# KiCad board FrontEnd_5G.kicad_pcb (continued)
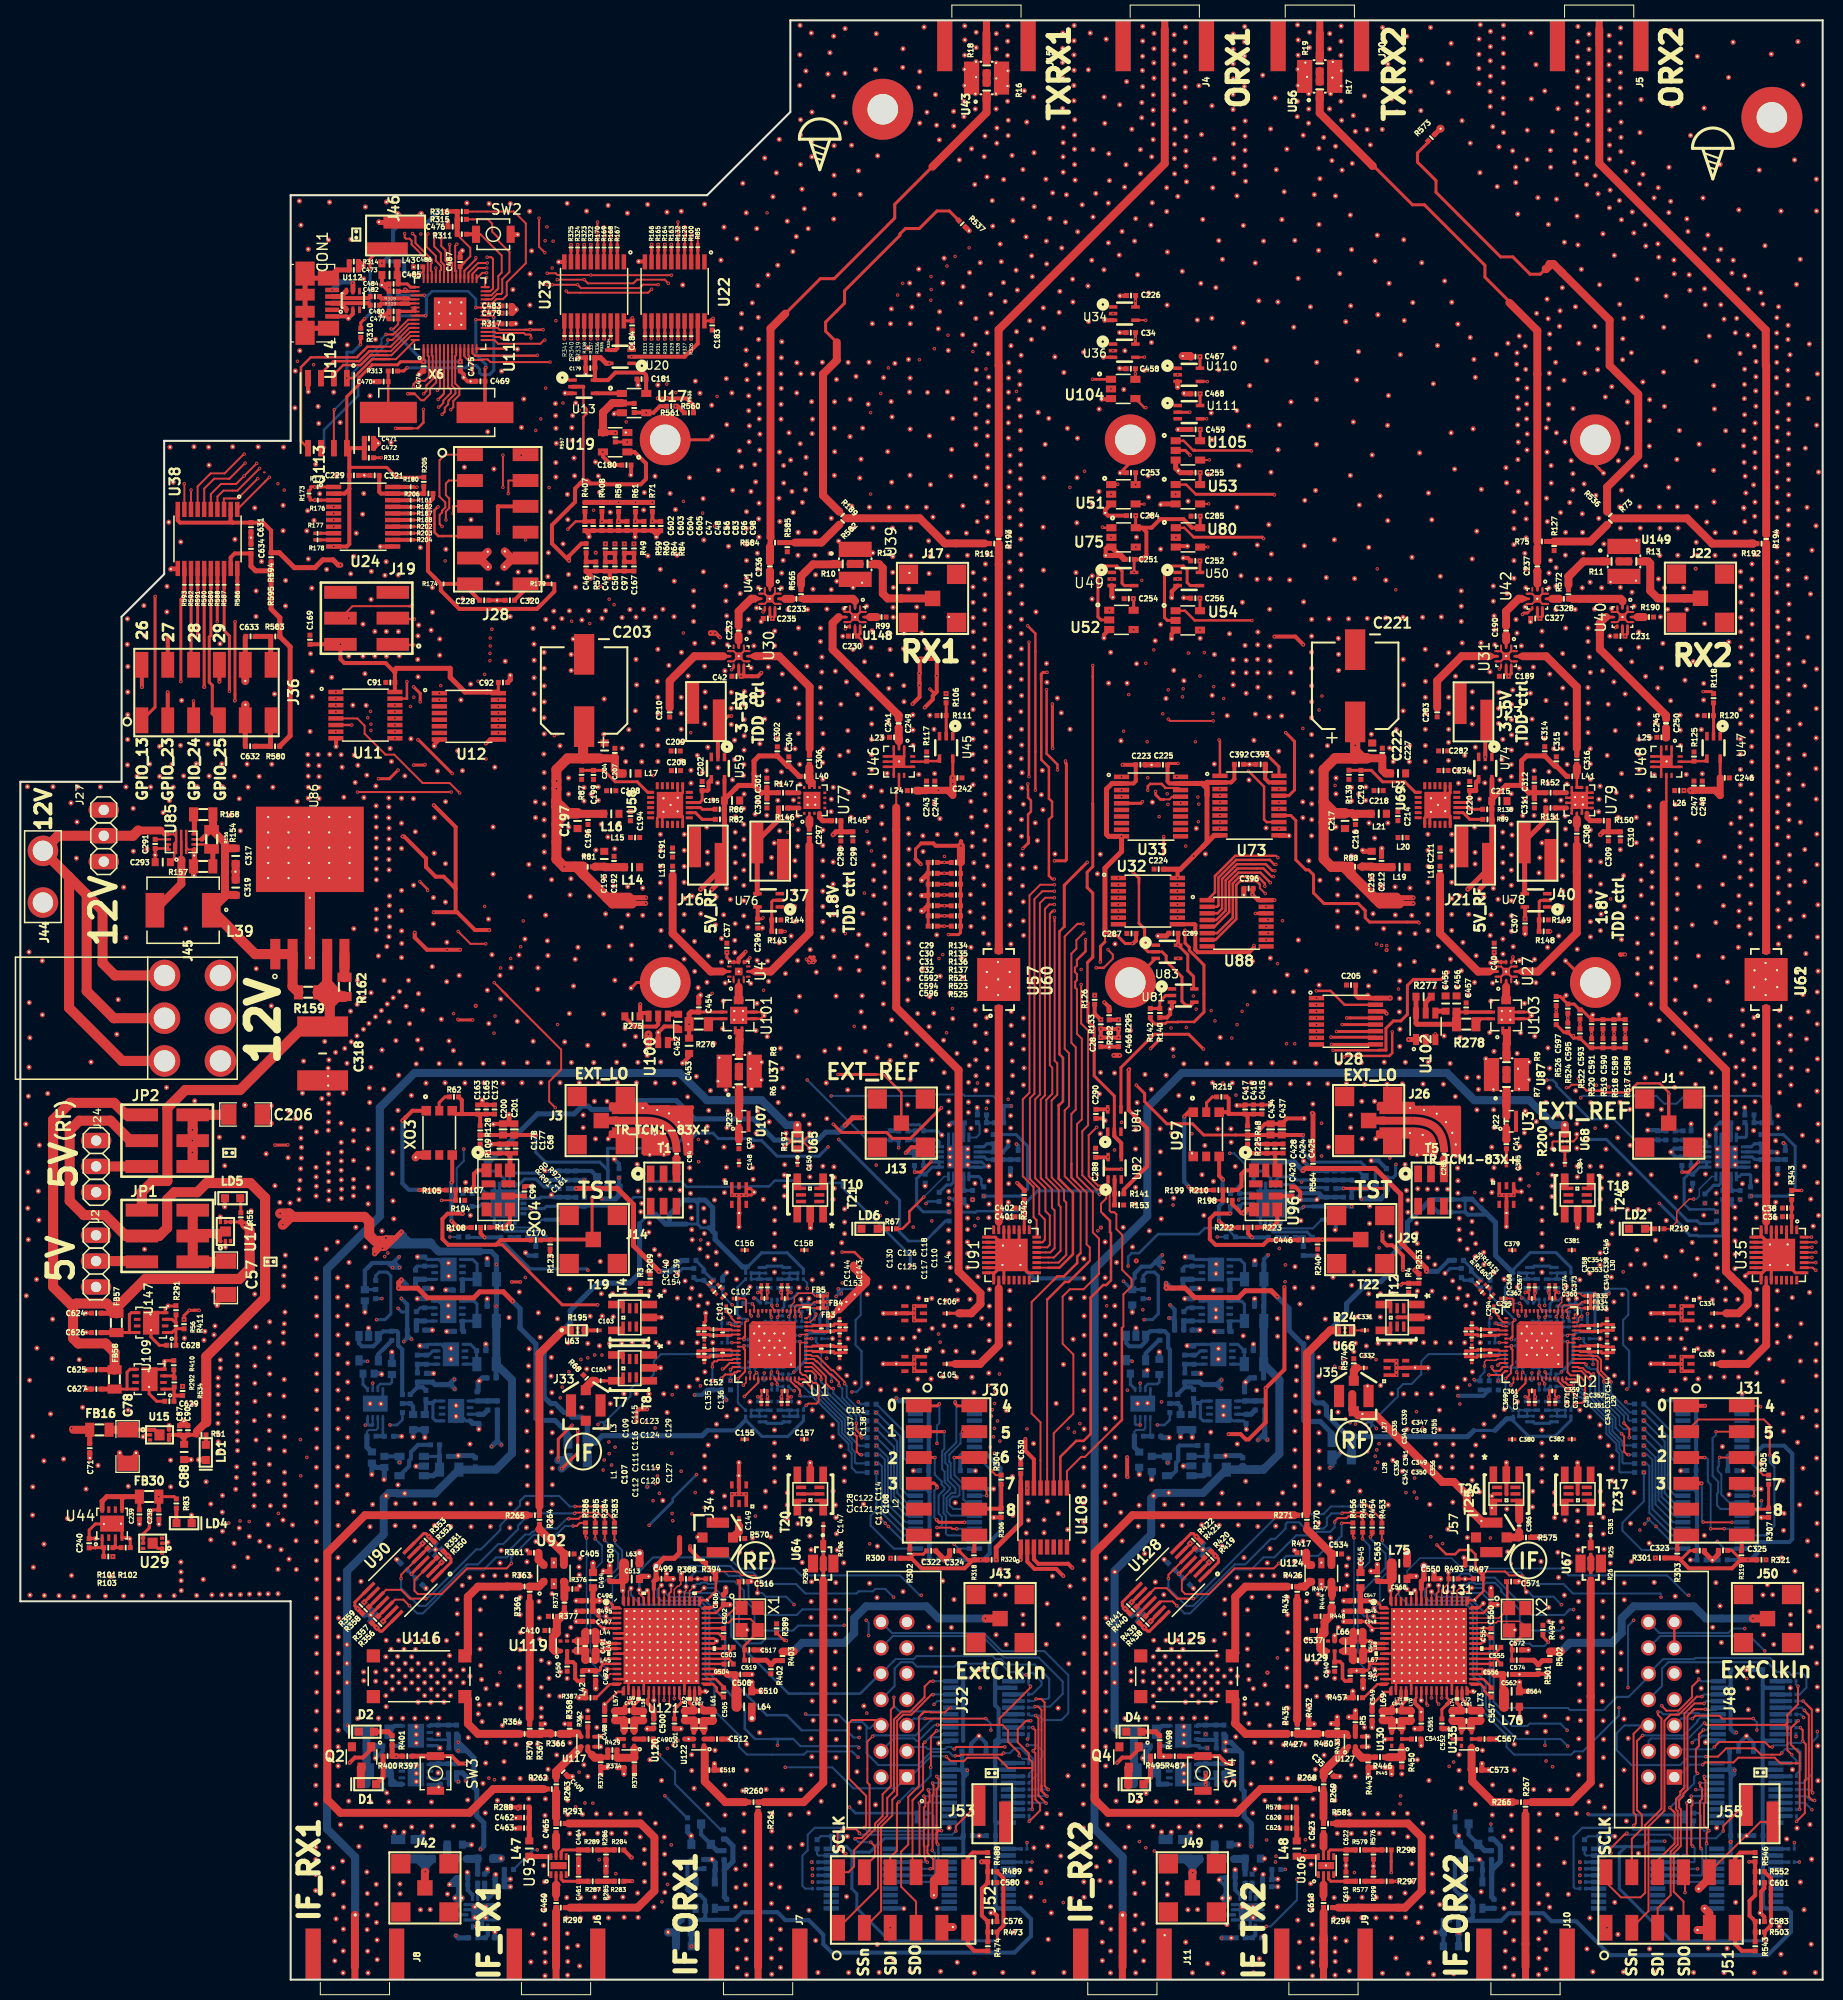
[diagram p0: board, top side]
## Placement (name value [footprint] x y rotation side) (continued)
C320  1uF_0402  [SMD0402]  48.12 135.58 180 top
C321  10nF_0402  [SMD0402]  34.83 147.85 180 top
C322  10nF_0402  [SMD0402]  89.54 42.15 0 top
C323  10nF_0402  [SMD0402]  165.09 42.17 0 top
C324  10nF_0402  [SMD0402]  91.8 42.15 180 top
C325  10nF_0402  [SMD0402]  167.37 42.19 180 top
C326  10nF_0402  [SMD0402]  89.82 41.26 0 bottom
C327  10nF_0402  [SMD0402]  148.92 133.79 0 top
C328  5pF_0402_CBR04C509C5GAC  [SMD0402]  151.73 135.72 180 top
C329  10nF_0402  [SMD0402]  88.83 50.04 180 bottom
C330  10nF_0402  [SMD0402]  165.26 41.26 0 bottom
C331  10pF_0201_GJM0335C1E100JB01D  [SMD0201]  132.17 63.82 0 top
C332  2.3pF_0201_GJM0335C1E2R3BB01D  [SMD0201]  132.06 60.13 0 top
C333  2.3pF_0201_GJM0335C1E2R3BB01D  [SMD0201]  166.5 60.52 180 top
C334  2.3pF_0201_GJM0335C1E2R3BB01D  [SMD0201]  166.51 65.49 180 top
C335  C_NF  [SMD0201]  142.68 63.71 270 top
C336  C  [SMD0201]  142.68 61.51 270 top
C337  C_NF  [SMD0201]  155.98 61.91 90 top
C338  C_NF  [SMD0201]  155.98 64.11 90 top
C339  C_NF  [SMD0201]  142.68 64.31 270 top
C340  C_NF  [SMD0201]  142.68 63.11 270 top
C341  0.9pF_0201_GJM0335C1ER90BB01D  [SMD0201]  142.68 62.11 270 top
C342  0.9pF_0201_GJM0335C1ER90BB01D  [SMD0201]  142.68 60.91 270 top
C343  0.9pF_0201_GJM0335C1ER90BB01D  [SMD0201]  155.98 61.31 90 top
C344  0.9pF_0201_GJM0335C1ER90BB01D  [SMD0201]  155.98 62.51 90 top
C345  0.9pF_0201_GJM0335C1ER90BB01D  [SMD0201]  155.98 63.51 90 top
C346  0.9pF_0201_GJM0335C1ER90BB01D  [SMD0201]  155.98 64.72 90 top
C347  2.3pF_0201_GJM0335C1E2R3BB01D  [SMD0201]  143.58 63.91 0 top
C348  2.3pF_0201_GJM0335C1E2R3BB01D  [SMD0201]  143.58 63.31 0 top
C349  0.5pF_0201_GJM0335C1ER50BB01D  [SMD0201]  143.58 61.91 0 top
C350  0.5pF_0201_GJM0335C1ER50BB01D  [SMD0201]  143.58 61.31 0 top
C351  0.5pF_0201_GJM0335C1ER50BB01D  [SMD0201]  155.09 61.71 180 top
C352  0.5pF_0201_GJM0335C1ER50BB01D  [SMD0201]  155.08 62.31 180 top
C353  0.5pF_0201_GJM0335C1ER50BB01D  [SMD0201]  155.08 63.71 180 top
C354  0.5pF_0201_GJM0335C1ER50BB01D  [SMD0201]  155.08 64.31 180 top
C355  0.6pF_0201_GJM0335C1ER60BB01D  [SMD0201]  144.48 63.61 270 top
C356  C_NF  [SMD0201]  144.48 61.61 270 top
C357  C_NF  [SMD0201]  154.18 62.01 90 top
C358  C_NF  [SMD0201]  154.18 64.01 90 top
C359  C_NF  [SMD0201]  150.58 57.87 0 top
C360  C_NF  [SMD0201]  150.59 66.95 180 top
C361  C_NF  [SMD0201]  148.58 57.88 0 top
C362  C_NF  [SMD0201]  148.59 66.95 180 top
C363  1UF_0201_TDK_X5R  [SMD0201]  148.1 69.72 90 bottom
C364  1UF_0201_TDK_X5R  [SMD0201]  148.11 55.11 270 bottom
C365  1UF_0201_TDK_X5R  [SMD0201]  150.47 55.11 270 bottom
C366  1UF_0201_TDK_X5R  [SMD0201]  150.45 69.73 90 bottom
C367  10pF_0201_GJM0335C1E100JB01D  [SMD0201]  148.88 68.05 90 top
C368  10pF_0201_GJM0335C1E100JB01D  [SMD0201]  148.29 68.05 90 top
C369  10pF_0201_GJM0335C1E100JB01D  [SMD0201]  148.29 56.79 270 top
C370  10pF_0201_GJM0335C1E100JB01D  [SMD0201]  148.88 56.78 270 top
C371  10pF_0201_GJM0335C1E100JB01D  [SMD0201]  150.28 56.78 270 top
C372  10pF_0201_GJM0335C1E100JB01D  [SMD0201]  150.88 56.78 270 top
C373  10pF_0201_GJM0335C1E100JB01D  [SMD0201]  150.87 68.04 90 top
C374  10pF_0201_GJM0335C1E100JB01D  [SMD0201]  150.28 68.05 90 top
C375  1NF_0201  [SMD0201]  148.7 69.73 90 bottom
C376  1NF_0201  [SMD0201]  148.71 55.11 270 bottom
C377  1NF_0201  [SMD0201]  151.07 55.11 270 bottom
C378  1NF_0201  [SMD0201]  151.05 69.73 90 bottom
C379  1.9nH_0201_LQP03TN1N9B02D  [SMD0201]  146.66 71.71 180 top
C380  C_NF  [SMD0201]  146.65 53.11 0 top
C381  C_NF  [SMD0201]  152.51 71.71 180 top
C382  C_NF  [SMD0201]  152.51 53.12 0 top
C383  10pF_0201_GJM0335C1E100JB01D  [SMD0201]  154.37 44.58 270 top
C384  10pF_0201_GJM0335C1E100JB01D  [SMD0201]  151.83 80.29 90 top
C385  10pF_0201_GJM0335C1E100JB01D  [SMD0201]  146.08 80.27 90 top
C386  10pF_0201_GJM0335C1E100JB01D  [SMD0201]  147.34 44.62 270 top
C387  10nF_0402  [SMD0402]  164.27 50.04 180 bottom
C388  10nF_0402  [SMD0402]  91.9 41.26 180 bottom
C389  10nF_0402  [SMD0402]  92.85 50.03 0 bottom
C390  10nF_0402  [SMD0402]  167.34 41.26 180 bottom
C391  10nF_0402  [SMD0402]  168.29 50.03 0 bottom
C392  10nF_0402  [SMD0402]  119.79 119.45 0 top
C393  10nF_0402  [SMD0402]  121.92 119.45 180 top
C394  4.7UF_0402  [SMD0402]  116.52 20.77 270 bottom
C395  4.7UF_0402  [SMD0402]  116.52 24.57 270 bottom
C396  10nF_0402  [SMD0402]  120.74 107.25 180 top
C397  1nF_0402_GRM1555C1H102JA01D  [SMD0402]  39.2 39.12 135 bottom
C398  1nF_0402_GRM1555C1H102JA01D  [SMD0402]  37.71 40.6 315 bottom
C399  NF_10pF_0402_GJM1555C1H100GB01D  [SMD0402]  41.73 41.98 315 bottom
C400  NF_10pF_0402_GJM1555C1H100GB01D  [SMD0402]  40.5 43.21 135 bottom
C401  470pF_0402_GRM1555C1H471JA01D  [SMD0402]  98.23 74.99 180 top
C402  47nF_0402_GCM155R71H473KE02D  [SMD0402]  98.23 75.84 180 top
C403  NF_10pF_0402_GJM1555C1H100GB01D  [SMD0402]  34.72 34.91 315 bottom
C404  NF_10pF_0402_GJM1555C1H100GB01D  [SMD0402]  33.48 36.14 135 bottom
C405  NF_10pF_0402_GJM1555C1H100GB01D  [SMD0402]  53.98 41.84 180 top
C406  NF_1uF_0603_GRM188R61A105KA61D  [SMD0603#2]  65.2 3.28 0 bottom
C407  NF_2.2uF_0603_GRM188R71A225KE15J  [SMD0603#2]  65.2 4.64 0 bottom
C408  NF_1nF_0402_GRM1555C1H102JA01D  [SMD0402]  65.49 5.88 0 bottom
C409  NF_10pF_0402_GJM1555C1H100GB01D  [SMD0402]  53.36 20.44 135 top
C410  NF_10pF_0402_GJM1555C1H100GB01D  [SMD0402]  52.02 34.32 180 top
C411  NF_1nF_0402_GRM1555C1H102JA01D  [SMD0402]  68.76 10.77 0 bottom
C412  1UF_0402  [SMD0402]  35.98 19.22 180 bottom
C413  4.7UF_0402  [SMD0402]  41.08 20.77 270 bottom
C414  4.7UF_0402  [SMD0402]  41.08 24.57 270 bottom
C415  NF_100nF_0402  [SMD0402]  122.05 85.53 90 top
C416  NF_10nF_0402  [SMD0402]  121.22 85.53 90 top
C417  NF_1nF_0402  [SMD0402]  120.4 85.53 90 top
C418  1.2NF_0402  [SMD0402]  160.96 82.99 90 bottom
C419  NF_470nF_0402  [SMD0402]  163.45 82.98 90 bottom
C420  NF_18nF_0402  [SMD0402]  125 77.47 90 top
C421  NF_68nF_0402  [SMD0402]  164.23 82.98 90 bottom
C422  NF_100nF_0402  [SMD0402]  163.78 80.86 180 bottom
C423  NF_100nF_0402  [SMD0402]  164.39 78.73 270 bottom
C424  NF_1nF_0402  [SMD0402]  123.33 81.68 90 top
C425  NF_10nF_0402  [SMD0402]  124.13 81.69 90 top
C426  NF_100nF_0402  [SMD0402]  171.54 81.35 180 bottom
C427  NF_100nF_0402  [SMD0402]  123.13 72.95 180 bottom
C428  NF_100nF_0402  [SMD0402]  122.53 81.68 90 top
C429  NF_10pF_0402  [SMD0402]  168.2 77.11 270 bottom
C430  NF_100nF_0402  [SMD0402]  171.54 80.61 180 bottom
C431  NF_220pF_0402  [SMD0402]  167.71 84.21 180 bottom
C432  NF_100nF_0402  [SMD0402]  134.29 79.26 90 bottom
C433  NF_100nF_0402  [SMD0402]  169.97 84.23 180 bottom
C434  NF_10uF_0603  [SMD0603_v2]  122.9 83.57 90 top
C435  100NF_0402  [SMD0402]  173.5 81.06 270 bottom
C436  NF_10uF_0603  [SMD0603_v2]  132.14 78.38 90 bottom
C437  NF_10uF_0603  [SMD0603_v2]  124 83.57 90 top
C438  NF_100nF_0402  [SMD0402]  171.65 84.22 180 bottom
C439  NF_1nF_0402  [SMD0402]  128.41 79.04 90 bottom
C440  NF_100nF_0402  [SMD0402]  126.57 72.95 180 bottom
C441  NF_10nF_0402  [SMD0402]  129.2 79.04 90 bottom
C442  NF_100nF_0402  [SMD0402]  130.02 79.04 90 bottom
C443  NF_1nF_0402  [SMD0402]  128.41 76.46 90 bottom
C444  NF_10nF_0402  [SMD0402]  129.24 76.46 90 bottom
C445  NF_100nF_0402  [SMD0402]  130.06 76.46 90 bottom
C446  NF_100nF_0402  [SMD0402]  126.11 72.7 180 top
C447  1UF_0402  [SMD0402]  121.76 59.15 180 bottom
C448  1UF_0402  [SMD0402]  121.77 66.19 180 bottom
C449  1UF_0402  [SMD0402]  121.79 70.3 180 bottom
C450  15pF_0402_GJM1555C1H150JB01D  [SMD0402]  53.75 30.77 270 top
C451  1UF_0402  [SMD0402]  120.75 61.83 0 bottom
C452  1nF_0603_06035C102KAT2A  [SMD0603#2]  64.66 94.14 270 top
C453  NF_100nF_0603_C0603C104M5RACTU  [SMD0603#2]  65.74 91.79 90 top
C454  1000pF_0402_GCM155R71H102KA37D  [SMD0402]  66.69 95.56 270 top
C455  1nF_0603_06035C102KAT2A  [SMD0603#2]  140.11 95.95 90 top
C456  NF_100nF_0603_C0603C104M5RACTU  [SMD0603#2]  141.19 95.95 270 top
C457  1000pF_0402_GCM155R71H102KA37D  [SMD0402]  142.12 95.56 270 top
C458  10nF_0402  [SMD0402]  109.16 158.34 0 top
C459  10nF_0402  [SMD0402]  115.53 152.37 0 top
C460  100pF_0402_ECJ-0EC1H101J  [SMD0402]  52.67 7.53 270 top
C461  100pF_0402_ECJ-0EC1H101J  [SMD0402]  54.87 10.12 90 top
C462  1uF_0402_CC0402ZRY5V5BB105  [SMD0402]  49.52 15.92 0 top
C463  1000pF_0402_GCM155R71H102KA37D  [SMD0402]  49.52 14.9 0 top
C464  100pF_0402_ECJ-0EC1H101J  [SMD0402]  54.87 12.3 90 top
C465  27pF_0402_GCM1555C1H270FA16D  [SMD0402]  52.66 14.9 270 top
C466  10nF_0402  [SMD0402]  107.95 92.15 90 top
C467  10nF_0402  [SMD0402]  115.51 159.52 0 top
C468  10nF_0402  [SMD0402]  115.52 155.87 0 top
C469  27pF_0402_GCM1555C1H270FA16D  [SMD0402]  45.23 157.11 180 top
C470  27pF_0402_GCM1555C1H270FA16D  [SMD0402]  35.71 157.07 180 top
C471  100nF_0402_GRM155R71C104KA88J  [SMD0402]  34.26 151.49 0 top
C472  100nF_0402_GRM155R71C104KA88J  [SMD0402]  34.26 150.54 0 top
C473  3.9nF_0402_04025C392JAT2A  [SMD0402]  32.78 168.05 0 top
C474  100nF_0402_GRM155R71C104KA88J  [SMD0402]  39.65 158.57 270 top
C475  100nF_0402_GRM155R71C104KA88J  [SMD0402]  43.24 158.57 270 top
C476  100nF_0402_GRM155R71C104KA88J  [SMD0402]  42.49 172.3 180 top
C477  100nF_0402_GRM155R71C104KA88J  [SMD0402]  36.7 163.25 180 top
C478  100nF_0402_GRM155R71C104KA88J  [SMD0402]  36.7 163.55 0 bottom
C479  100nF_0402_GRM155R71C104KA88J  [SMD0402]  47.8 163.81 180 top
C480  100nF_0402_GRM155R71C104KA88J  [SMD0402]  36.7 163.98 180 top
C481  1uF_0402_CC0402ZRY5V5BB105  [SMD0402]  36.7 165.56 0 bottom
C482  1uF_0402_CC0402ZRY5V5BB105  [SMD0402]  36.7 165.96 180 top
C483  100nF_0402_GRM155R71C104KA88J  [SMD0402]  47.8 164.52 180 top
C484  100nF_0402_GRM155R71C104KA88J  [SMD0402]  36.7 166.68 0 top
C485  10uF_0603_GRM188R61E106KA73J  [SMD0603#2]  36.29 167.55 0 top
C486  100nF_0402_GRM155R71C104KA88J  [SMD0402]  39.11 168.35 180 top
C487  100nF_0402_GRM155R71C104KA88J  [SMD0402]  43.23 168.83 90 top
C488  1UF_0402  [SMD0402]  118.57 63.71 180 bottom
C489  1UF_0402  [SMD0402]  118.45 67.77 180 bottom
C490  15pF_0402_GJM1555C1H150JB01D  [SMD0402]  61.75 23.65 0 top
C491  0.2pF_0402_GJM1555C1HR20BB01D  [SMD0402]  55.53 32.79 270 top
C492  1nF_0402_GRM1555C1H102JA01D  [SMD0402]  56.54 29.87 270 top
C493  0.9pF_0402_GJM1555C1HR90BB01D  [SMD0402]  59.85 25.43 0 top
C494  2.2uF_0603_GRM188R71A225KE15J  [SMD0603#2]  56.29 39.27 270 top
C495  1nF_0402_GRM1555C1H102JA01D  [SMD0402]  55.78 36.22 180 top
C496  1nF_0402_GRM1555C1H102JA01D  [SMD0402]  55.78 37.24 0 top
C497  1nF_0402_GRM1555C1H102JA01D  [SMD0402]  55.78 35.21 180 top
C498  1nF_0402_GRM1555C1H102JA01D  [SMD0402]  57.44 25.93 270 top
C499  1nF_0402_GRM1555C1H102JA01D  [SMD0402]  63.02 39.4 180 top
C500  1nF_0402_GRM1555C1H102JA01D  [SMD0402]  62.26 25.17 270 top
C501  1nF_0402_GRM1555C1H102JA01D  [SMD0402]  64.3 25.17 270 top
C502  1nF_0402_GRM1555C1H102JA01D  [SMD0402]  69.12 34.06 270 top
C503  1nF_0402_GRM1555C1H102JA01D  [SMD0402]  69.63 32.67 0 top
C504  1nF_0402_GRM1555C1H102JA01D  [SMD0402]  69.63 31.02 180 top
C505  1nF_0402_GRM1555C1H102JA01D  [SMD0402]  69.12 28.22 270 top
C506  1nF_0402_GRM1555C1H102JA01D  [SMD0402]  69.12 37.36 270 top
C507  0.5pF_0402_GJM1555C1HR50BB01D  [SMD0402]  66.7 25.43 180 top
C508  1nF_0402_GRM1555C1H102JA01D  [SMD0402]  70.77 30 180 top
C509  1nF_0402_GRM1555C1H102JA01D  [SMD0402]  57.94 39.65 270 top
C510  2.2uF_0603_GRM188R71A225KE15J  [SMD0603#2]  71.15 28.34 180 top
C511  NF_47nF_0402_GCM155R71H473KE02D  [SMD0402]  43.42 11.87 0 bottom
C512  15pF_0402_GJM1555C1H150JB01D  [SMD0402]  68.48 23.65 180 top
C513  2.2uF_0603_GRM188R71A225KE15J  [SMD0603#2]  60.1 39.38 180 top
C514  NF_47nF_0402_GCM155R71H473KE02D  [SMD0402]  44.96 9.93 270 bottom
C515  NF_47nF_0402_GCM155R71H473KE02D  [SMD0402]  45.64 9.93 270 bottom
C516  10pF_0402_GJM1555C1H100GB01D  [SMD0402]  71.1 39.12 0 top
C517  10pF_0402_GJM1555C1H100GB01D  [SMD0402]  71.66 32.41 0 top
C518  NF_10pF_0402_GJM1555C1H100GB01D  [SMD0402]  67.73 20.6 180 top
C519  NF_10pF_0402_GJM1555C1H100GB01D  [SMD0402]  71.66 31.4 180 top
C520  NF_100nF_0402_GRM155R71C104KA88J  [SMD0402]  43.53 10.02 180 bottom
C521  NF_100nF_0402_GRM155R71C104KA88J  [SMD0402]  47.12 9.83 180 bottom
C522  NF_100pF_0402_GRM1555C1H101JA01D  [SMD0402]  43.53 9.32 180 bottom
C523  NF_100pF_0402_GRM1555C1H101JA01D  [SMD0402]  47.12 9.14 180 bottom
C524  NF_1nF_0402_GRM1555C1H102JA01D  [SMD0402]  42.98 6.83 270 bottom
C525  10nF_0402  [SMD0402]  95.41 14.15 180 bottom
C526  10nF_0402  [SMD0402]  93.14 14.15 0 bottom
C527  1nF_0402_GRM1555C1H102JA01D  [SMD0402]  113.15 40.61 315 bottom
C528  NF_1uF_0603_GRM188R61A105KA61D  [SMD0603#2]  140.64 3.28 0 bottom
C529  1nF_0402_GRM1555C1H102JA01D  [SMD0402]  114.64 39.13 135 bottom
C530  NF_2.2uF_0603_GRM188R71A225KE15J  [SMD0603#2]  140.64 4.65 0 bottom
C531  NF_10pF_0402_GJM1555C1H100GB01D  [SMD0402]  117.17 41.97 315 bottom
C532  NF_10pF_0402_GJM1555C1H100GB01D  [SMD0402]  115.95 43.21 135 bottom
C533  NF_1nF_0402_GRM1555C1H102JA01D  [SMD0402]  140.93 5.88 0 bottom
C534  NF_10pF_0402_GJM1555C1H100GB01D  [SMD0402]  129.43 41.84 180 top
C535  4.7UF_0402  [SMD0402]  115.36 60.04 270 bottom
C536  NF_1nF_0402_GRM1555C1H102JA01D  [SMD0402]  144.19 10.77 0 bottom
C537  NF_10pF_0402_GJM1555C1H100GB01D  [SMD0402]  127.47 34.32 180 top
C538  NF_10pF_0402_GJM1555C1H100GB01D  [SMD0402]  110.16 34.91 315 bottom
C539  NF_10pF_0402_GJM1555C1H100GB01D  [SMD0402]  108.92 36.14 135 bottom
C540  15pF_0402_GJM1555C1H150JB01D  [SMD0402]  129.2 30.76 270 top
C541  15pF_0402_GJM1555C1H150JB01D  [SMD0402]  137.2 23.65 0 top
C542  0.2pF_0402_GJM1555C1HR20BB01D  [SMD0402]  130.98 32.79 270 top
C543  1nF_0402_GRM1555C1H102JA01D  [SMD0402]  131.99 29.88 270 top
C544  0.9pF_0402_GJM1555C1HR90BB01D  [SMD0402]  135.3 25.43 0 top
C545  2.2uF_0603_GRM188R71A225KE15J  [SMD0603#2]  131.74 39.27 270 top
C546  1nF_0402_GRM1555C1H102JA01D  [SMD0402]  131.24 36.22 180 top
C547  1nF_0402_GRM1555C1H102JA01D  [SMD0402]  131.23 37.24 0 top
C548  1nF_0402_GRM1555C1H102JA01D  [SMD0402]  131.23 35.21 180 top
C549  1nF_0402_GRM1555C1H102JA01D  [SMD0402]  132.88 25.94 270 top
C550  1nF_0402_GRM1555C1H102JA01D  [SMD0402]  138.47 39.4 180 top
C551  1nF_0402_GRM1555C1H102JA01D  [SMD0402]  137.71 25.17 270 top
C552  1nF_0402_GRM1555C1H102JA01D  [SMD0402]  139.74 25.17 270 top
C553  NF_47nF_0402_GCM155R71H473KE02D  [SMD0402]  118.86 11.87 0 bottom
C554  1nF_0402_GRM1555C1H102JA01D  [SMD0402]  144.57 34.06 270 top
C555  1nF_0402_GRM1555C1H102JA01D  [SMD0402]  145.08 32.66 0 top
C556  1nF_0402_GRM1555C1H102JA01D  [SMD0402]  145.08 31.02 180 top
C557  1nF_0402_GRM1555C1H102JA01D  [SMD0402]  144.57 28.22 270 top
C558  NF_47nF_0402_GCM155R71H473KE02D  [SMD0402]  120.4 9.93 270 bottom
C559  NF_47nF_0402_GCM155R71H473KE02D  [SMD0402]  121.08 9.93 270 bottom
C560  1nF_0402_GRM1555C1H102JA01D  [SMD0402]  144.57 37.36 270 top
C561  0.5pF_0402_GJM1555C1HR50BB01D  [SMD0402]  142.15 25.42 180 top
C562  1nF_0402_GRM1555C1H102JA01D  [SMD0402]  146.22 30 180 top
C563  1nF_0402_GRM1555C1H102JA01D  [SMD0402]  133.4 39.65 270 top
C564  2.2uF_0603_GRM188R71A225KE15J  [SMD0603#2]  146.6 28.34 180 top
C565  NF_100nF_0402_GRM155R71C104KA88J  [SMD0402]  118.97 10.02 180 bottom
C566  NF_100nF_0402_GRM155R71C104KA88J  [SMD0402]  122.56 9.83 180 bottom
C567  15pF_0402_GJM1555C1H150JB01D  [SMD0402]  143.93 23.65 180 top
C568  2.2uF_0603_GRM188R71A225KE15J  [SMD0603#2]  135.55 39.39 180 top
C569  NF_100pF_0402_GRM1555C1H101JA01D  [SMD0402]  118.97 9.32 180 bottom
C570  NF_100pF_0402_GRM1555C1H101JA01D  [SMD0402]  122.56 9.14 180 bottom
C571  10pF_0402_GJM1555C1H100GB01D  [SMD0402]  146.55 39.12 0 top
C572  10pF_0402_GJM1555C1H100GB01D  [SMD0402]  147.11 32.41 0 top
C573  NF_10pF_0402_GJM1555C1H100GB01D  [SMD0402]  143.17 20.6 180 top
C574  NF_10pF_0402_GJM1555C1H100GB01D  [SMD0402]  147.1 31.4 180 top
C575  10nF_0402  [SMD0402]  95.38 22.44 180 bottom
C576  10nF_0402  [SMD0402]  95.55 5.71 0 top
C577  10nF_0402  [SMD0402]  93.01 22.46 0 bottom
C578  10nF_0402  [SMD0402]  80.18 14.1 0 bottom
C579  10nF_0402  [SMD0402]  95.38 30.47 180 bottom
C580  10nF_0402  [SMD0402]  95.55 9.54 0 top
C581  10nF_0402  [SMD0402]  93.13 30.45 0 bottom
C582  NF_1nF_0402_GRM1555C1H102JA01D  [SMD0402]  118.42 6.82 270 bottom
C583  10nF_0402  [SMD0402]  170.99 5.71 0 top
C584  10nF_0402  [SMD0402]  170.83 30.47 180 bottom
C585  10nF_0402  [SMD0402]  170.83 22.45 180 bottom
C586  10nF_0402  [SMD0402]  170.86 14.16 180 bottom
C587  10nF_0402  [SMD0402]  168.58 30.46 0 bottom
C588  10nF_0402  [SMD0402]  157.76 93.91 270 top
C589  10nF_0402  [SMD0402]  156.66 93.91 270 top
C590  10nF_0402  [SMD0402]  155.57 93.91 270 top
C591  10nF_0402  [SMD0402]  154.46 93.91 270 top
C592  10nF_0402  [SMD0402]  89.69 105.56 0 top
C593  10nF_0402  [SMD0402]  153.31 94.87 270 top
C594  10nF_0402  [SMD0402]  89.69 104.56 0 top
C595  10nF_0402  [SMD0402]  152.12 95.44 270 top
C596  10nF_0402  [SMD0402]  89.69 103.55 0 top
C597  10nF_0402  [SMD0402]  150.98 96.19 270 top
C598  10nF_0402  [SMD0402]  168.46 22.47 0 bottom
C599  10nF_0402  [SMD0402]  168.58 14.16 0 bottom
C600  10nF_0402  [SMD0402]  155.62 14.09 0 bottom
C601  10nF_0402  [SMD0402]  170.99 9.54 0 top
C602  1nF_0402  [SMD0402]  55.5 142.88 270 top
C603  10nF_0402  [SMD0402]  56.32 142.88 270 top
C604  1nF_0402  [SMD0402]  57.17 142.88 270 top
C605  10nF_0402  [SMD0402]  57.99 142.88 270 top
C606  4.7UF_0402  [SMD0402]  115.19 64.29 270 bottom
C607  4.7UF_0402  [SMD0402]  115.17 68.39 270 bottom
C608  10UF_0603  [SMD0603#2]  114.05 54.8 270 bottom
C609  1UF_0402  [SMD0402]  120.16 50.85 90 bottom
C610  1UF_0603  [SMD0603#2]  109.99 51.11 90 bottom
C611  10UF_0603  [SMD0603#2]  115.2 54.8 270 bottom
C612  1UF_0402  [SMD0402]  117.1 51.43 0 bottom
C613  10UF_0603  [SMD0603#2]  109.87 59.57 0 bottom
C614  10UF_0603  [SMD0603#2]  111.22 50.69 270 bottom
C615  4.7UF_0402  [SMD0402]  120.34 57.33 90 bottom
C616  1UF_0603  [SMD0603#2]  111.96 60.23 270 bottom
C617  10UF_0603  [SMD0603#2]  109.3 67.07 270 bottom
C618  100pF_0402_ECJ-0EC1H101J  [SMD0402]  128.11 7.53 270 top
C619  100pF_0402_ECJ-0EC1H101J  [SMD0402]  130.31 10.12 90 top
C620  1uF_0402_CC0402ZRY5V5BB105  [SMD0402]  124.96 15.92 0 top
C621  1000pF_0402_GCM155R71H102KA37D  [SMD0402]  124.96 14.9 0 top
C622  100pF_0402_ECJ-0EC1H101J  [SMD0402]  130.31 12.3 90 top
C623  27pF_0402_GCM1555C1H270FA16D  [SMD0402]  128.1 14.9 270 top
C624  1UF_0402  [SMD0402]  7.46 65.51 180 top
C625  1UF_0402  [SMD0402]  7.47 59.96 180 top
C626  1UF_0402  [SMD0402]  7.46 63.6 180 top
C627  1UF_0402  [SMD0402]  7.47 58.05 180 top
C628  4.7UF_0402  [SMD0402]  14.84 62.35 180 top
C629  4.7UF_0402  [SMD0402]  14.65 56.85 180 top
C630  10nF_0402  [SMD0402]  98.34 50.21 90 top
C631  10nF_0402  [SMD0402]  22.67 142.76 270 top
C632  1uF_0402  [SMD0402]  22.59 121.23 180 top
C633  1uF_0402  [SMD0402]  22.63 132.03 180 top
C634  10nF_0402  [SMD0402]  22.67 140.63 90 top
CON1  47346-0001  [USB-MINI-B]  27.99 164.78 270 top
D1  LED0603_GREEN  [LED_0603#2]  34.22 19.21 180 top
D2  LED0603_GREEN  [LED_0603#2]  34.01 24.37 180 top
D3  LED0603_GREEN  [LED_0603#2]  109.66 19.21 180 top
D4  LED0603_GREEN  [LED_0603#2]  109.46 24.37 180 top
FB1  FB_0201  [SMD0201]  78.32 64.93 180 bottom
FB2  FB_0201  [SMD0201]  78.32 64.33 180 bottom
FB3  FB_0201  [SMD0201]  78.63 66.01 180 top
FB4  FB_0201  [SMD0201]  78.63 66.61 180 top
FB5  FB_0201  [SMD0201]  78.63 67.21 180 top
FB6  FB_0201  [SMD0201]  72.83 58.93 180 bottom
FB7  FB_0201  [SMD0201]  69.23 64.51 0 bottom
FB8  FB_0201  [SMD0201]  73.02 66.53 180 bottom
FB9  FB_0201  [SMD0201]  74.02 65.73 0 bottom
FB10  FB_0201  [SMD0201]  74.92 65.53 90 bottom
FB11  FB_0201  [SMD0201]  69.53 63.51 90 bottom
FB12  FB_0201  [SMD0201]  78.74 61.9 270 bottom
FB13  FB_0201  [SMD0201]  75.24 58.3 0 bottom
FB14  FB_0201  [SMD0201]  75.23 58.93 0 bottom
FB15  FB_0201  [SMD0201]  75.23 59.53 0 bottom
FB16  FB_600R_0805_MPZ2012S601AT000  [SMD0805]  7.77 54.05 0 top
FB17  FB_60R_0805  [SMD0805]  110.72 24.37 0 bottom
FB18  FB_60R_0805  [SMD0805]  45.85 68.84 180 bottom
FB19  FB_60R_0805  [SMD0805]  45.84 64.74 180 bottom
FB20  FB_60R_0805  [SMD0805]  45.83 60.5 180 bottom
FB21  FB_60R_0805  [SMD0805]  42.16 50.13 180 bottom
FB22  FB_600R_0402  [SMD0402]  95.65 82.61 90 bottom
FB23  FB_60R_0805  [SMD0805]  110.72 20.57 0 bottom
FB24  FB_60R_0805  [SMD0805]  35.28 24.37 0 bottom
FB25  FB_0201  [SMD0201]  71.57 69.46 0 bottom
FB26  FB_0201  [SMD0201]  71.57 55.37 0 bottom
FB27  FB_0201  [SMD0201]  76.7 55.37 180 bottom
FB28  FB_0201  [SMD0201]  76.7 69.46 180 bottom
FB29  BLM18EG601SN1D  [SMD0603]  58.31 77.83 180 bottom
FB30  FB_60R_0805  [SMD0805]  12.66 47.48 180 top
FB31  FB_0201  [SMD0201]  153.77 64.93 180 bottom
FB32  FB_0201  [SMD0201]  153.77 64.33 180 bottom
FB33  FB_0201  [SMD0201]  154.08 66.01 180 top
FB34  FB_0201  [SMD0201]  154.08 66.62 180 top
FB35  FB_0201  [SMD0201]  154.08 67.21 180 top
FB36  FB_0201  [SMD0201]  148.28 58.93 180 bottom
FB37  FB_0201  [SMD0201]  144.68 64.51 0 bottom
FB38  FB_0201  [SMD0201]  148.47 66.53 180 bottom
FB39  FB_0201  [SMD0201]  149.43 65.74 0 bottom
FB40  FB_0201  [SMD0201]  150.37 65.47 90 bottom
FB41  FB_0201  [SMD0201]  144.98 63.51 90 bottom
FB42  FB_0201  [SMD0201]  154.18 61.9 270 bottom
FB43  FB_0201  [SMD0201]  150.69 58.3 0 bottom
FB44  FB_0201  [SMD0201]  150.68 58.93 0 bottom
FB45  FB_0201  [SMD0201]  150.68 59.53 0 bottom
FB46  FB_60R_0805  [SMD0805]  35.28 20.57 0 bottom
FB47  NF_FB_600R_0402  [SMD0402]  171.09 82.61 270 bottom
FB48  FB_0201  [SMD0201]  147.01 69.46 0 bottom
FB49  FB_0201  [SMD0201]  147.02 55.37 0 bottom
FB50  FB_0201  [SMD0201]  152.15 55.37 180 bottom
FB51  FB_0201  [SMD0201]  152.15 69.46 180 bottom
FB52  NF_BLM18EG601SN1D  [SMD0603_v2]  133.75 77.83 180 bottom
FB53  FB_60R_0805  [SMD0805]  121.27 60.5 180 bottom
FB54  FB_60R_0805  [SMD0805]  121.28 64.74 180 bottom
FB55  FB_60R_0805  [SMD0805]  121.29 68.84 180 bottom
FB56  FB_60R_0805  [SMD0805]  117.6 50.13 180 bottom
FB57  FB_60R_0805  [SMD0805]  9.45 64.55 270 top
FB58  FB_60R_0805  [SMD0805]  9.26 59 270 top
G***  LOGO  [LimeSimbol]  170.83 167.97 270 bottom
GND_VIA  VAL**  [GND_VIA]  72.63 61.41 0 top
GND_VIA#2  VAL**  [GND_VIA#2]  62.93 64.81 0 top
GND_VIA#3  VAL**  [GND_VIA]  75.13 62.11 0 top
GND_VIA#4  VAL**  [GND_VIA]  74.13 62.11 0 top
GND_VIA#5  VAL**  [GND_VIA]  73.63 62.81 0 top
GND_VIA#6  VAL**  [GND_VIA]  75.73 61.57 0 top
GND_VIA#7  VAL**  [GND_VIA]  74.13 63.51 0 top
GND_VIA#8  VAL**  [GND_VIA]  72.63 62.81 0 top
GND_VIA#9  VAL**  [GND_VIA]  73.13 62.11 0 top
GND_VIA#10  VAL**  [GND_VIA]  74.63 62.81 0 top
GND_VIA#11  VAL**  [GND_VIA]  72.63 64.21 0 top
GND_VIA#12  VAL**  [GND_VIA]  72.13 63.51 0 top
GND_VIA#13  VAL**  [GND_VIA]  73.13 63.51 0 top
GND_VIA#14  VAL**  [GND_VIA]  75.03 63.51 0 top
GND_VIA#15  VAL**  [GND_VIA]  73.63 61.41 0 top
GND_VIA#16  VAL**  [GND_VIA]  74.63 61.41 0 top
GND_VIA#17  VAL**  [GND_VIA]  75.76 60.46 0 top
GND_VIA#18  VAL**  [GND_VIA#2]  71.93 61.41 0 top
GND_VIA#19  VAL**  [GND_VIA#2]  84.84 60.81 180 top
GND_VIA#20  VAL**  [GND_VIA#3]  76.15 120.98 90 top
GND_VIA#21  VAL**  [GND_VIA#3]  78.9 122.48 90 top
GND_VIA#22  VAL**  [GND_VIA#3]  78.89 120.98 90 top
GND_VIA#23  VAL**  [GND_VIA#3]  78.88 119.62 90 top
GND_VIA#24  VAL**  [GND_VIA#3]  78.89 117.98 90 top
GND_VIA#25  VAL**  [GND_VIA#3]  78.14 115.48 90 top
GND_VIA#26  VAL**  [GND_VIA#3]  77.39 115.48 90 top
GND_VIA#27  VAL**  [GND_VIA#3]  77.39 116.23 90 top
GND_VIA#28  VAL**  [GND_VIA#3]  78.14 116.23 90 top
GND_VIA#29  VAL**  [GND_VIA#3]  73.38 114.44 90 top
GND_VIA#30  VAL**  [GND_VIA#3]  76 115.94 90 top
GND_VIA#31  VAL**  [GND_VIA#3]  81.39 120.73 90 top
GND_VIA#32  VAL**  [GND_VIA#3]  83.64 117.23 90 top
GND_VIA#33  VAL**  [GND_VIA#3]  81.64 114.23 90 top
GND_VIA#34  VAL**  [GND_VIA#3]  83.39 114.23 90 top
GND_VIA#35  VAL**  [GND_VIA#3]  83.39 111.73 90 top
GND_VIA#36  VAL**  [GND_VIA#3]  81.84 111.09 90 top
GND_VIA#37  VAL**  [GND_VIA#3]  80.61 111.27 90 top
GND_VIA#38  VAL**  [GND_VIA#3]  78.89 112.98 90 top
GND_VIA#39  VAL**  [GND_VIA#3]  78.89 111.48 90 top
GND_VIA#40  VAL**  [GND_VIA#3]  78.89 109.98 90 top
GND_VIA#41  VAL**  [GND_VIA#3]  76.41 114.4 90 top
GND_VIA#42  VAL**  [GND_VIA#3]  76.45 113.02 90 top
GND_VIA#43  VAL**  [GND_VIA#3]  76.41 111.39 90 top
GND_VIA#44  VAL**  [GND_VIA#3]  76.14 109.98 90 top
GND_VIA#45  VAL**  [GND_VIA#3]  75.39 114.22 90 top
GND_VIA#46  VAL**  [GND_VIA#3]  74.64 112.92 90 top
GND_VIA#47  VAL**  [GND_VIA#3]  71.11 115.11 90 top
GND_VIA#48  VAL**  [GND_VIA#3]  70.31 114.28 90 top
GND_VIA#49  VAL**  [GND_VIA#3]  71.15 116.53 90 top
GND_VIA#50  VAL**  [GND_VIA#3]  74.11 111.72 90 top
GND_VIA#51  VAL**  [GND_VIA#3]  74.71 117.59 90 top
GND_VIA#52  VAL**  [GND_VIA#3]  74.82 118.71 90 top
GND_VIA#53  VAL**  [GND_VIA#3]  73.36 118.83 90 top
GND_VIA#54  VAL**  [GND_VIA#3]  75.29 120.97 90 top
GND_VIA#55  VAL**  [GND_VIA#3]  72.69 121.48 90 top
GND_VIA#56  VAL**  [GND_VIA#3]  72.23 114.56 90 top
GND_VIA#57  VAL**  [GND_VIA#3]  68.54 117.63 90 top
GND_VIA#58  VAL**  [GND_VIA#3]  175.72 131.95 90 top
GND_VIA#59  VAL**  [GND_VIA#3]  175.31 129.55 90 top
GND_VIA#60  VAL**  [GND_VIA#3]  154.34 117.99 90 top
GND_VIA#61  VAL**  [GND_VIA#3]  153.59 115.5 90 top
GND_VIA#62  VAL**  [GND_VIA#3]  153.58 116.25 90 top
GND_VIA#63  VAL**  [GND_VIA#3]  154.34 119.49 90 top
GND_VIA#64  VAL**  [GND_VIA#3]  154.33 120.99 90 top
GND_VIA#65  VAL**  [GND_VIA#3]  154.11 122.57 90 top
GND_VIA#66  VAL**  [GND_VIA#3]  154.11 123.96 90 top
GND_VIA#67  VAL**  [GND_VIA#3]  154.13 125.48 90 top
GND_VIA#68  VAL**  [GND_VIA#3]  154.1 127 90 top
GND_VIA#69  VAL**  [GND_VIA#3]  154.34 128.49 90 top
GND_VIA#70  VAL**  [GND_VIA#3]  154.11 131.53 90 top
GND_VIA#71  VAL**  [GND_VIA#3]  151.91 132.84 90 top
GND_VIA#72  VAL**  [GND_VIA#3]  150.92 134.68 90 top
GND_VIA#73  VAL**  [GND_VIA#3]  169.45 149.14 90 top
GND_VIA#74  VAL**  [GND_VIA#3]  170.52 145.22 90 top
GND_VIA#75  VAL**  [GND_VIA#3]  141.65 133.5 90 top
GND_VIA#76  VAL**  [GND_VIA#3]  141.65 135 90 top
GND_VIA#77  VAL**  [GND_VIA#3]  141.65 136.5 90 top
GND_VIA#78  VAL**  [GND_VIA#3]  140.58 100.3 90 top
GND_VIA#79  VAL**  [GND_VIA#3]  148.44 126.45 90 top
GND_VIA#80  VAL**  [GND_VIA#3]  151.98 124.03 90 top
GND_VIA#81  VAL**  [GND_VIA#3]  151.94 122.49 90 top
GND_VIA#82  VAL**  [GND_VIA#3]  151.59 120.99 90 top
GND_VIA#83  VAL**  [GND_VIA#3]  150.74 120.98 90 top
GND_VIA#84  VAL**  [GND_VIA#3]  149.84 121.99 90 top
GND_VIA#85  VAL**  [GND_VIA#3]  148.09 121.49 90 top
GND_VIA#86  VAL**  [GND_VIA#3]  151.85 114.37 90 top
GND_VIA#87  VAL**  [GND_VIA#3]  151.89 113.1 90 top
GND_VIA#88  VAL**  [GND_VIA#3]  151.92 111.56 90 top
GND_VIA#89  VAL**  [GND_VIA#3]  151.59 109.99 90 top
GND_VIA#90  VAL**  [GND_VIA#3]  151.59 108.5 90 top
GND_VIA#91  VAL**  [GND_VIA#3]  151.59 107 90 top
GND_VIA#92  VAL**  [GND_VIA#3]  151.59 105.49 90 top
GND_VIA#93  VAL**  [GND_VIA#3]  151.59 103.99 90 top
GND_VIA#94  VAL**  [GND_VIA#3]  151.22 102.59 90 top
GND_VIA#95  VAL**  [GND_VIA#3]  150.13 101.47 90 top
GND_VIA#96  VAL**  [GND_VIA#3]  154.34 113 90 top
GND_VIA#97  VAL**  [GND_VIA#3]  154.34 111.5 90 top
GND_VIA#98  VAL**  [GND_VIA#3]  154.34 109.99 90 top
GND_VIA#99  VAL**  [GND_VIA#3]  154.34 108.49 90 top
GND_VIA#100  VAL**  [GND_VIA#3]  154.34 107 90 top
GND_VIA#101  VAL**  [GND_VIA#3]  154.34 105.49 90 top
GND_VIA#102  VAL**  [GND_VIA#3]  154.34 103.99 90 top
GND_VIA#103  VAL**  [GND_VIA#3]  154.34 102.5 90 top
GND_VIA#104  VAL**  [GND_VIA#3]  175.56 137.79 90 top
GND_VIA#105  VAL**  [GND_VIA#3]  154.11 132.84 90 top
GND_VIA#106  VAL**  [GND_VIA#3]  175.97 136.19 90 top
GND_VIA#107  VAL**  [GND_VIA#3]  157.09 114.25 90 top
GND_VIA#108  VAL**  [GND_VIA#3]  158.84 114.24 90 top
GND_VIA#109  VAL**  [GND_VIA#3]  149.58 111.74 90 top
GND_VIA#110  VAL**  [GND_VIA#3]  148.61 123.9 90 top
GND_VIA#111  VAL**  [GND_VIA#3]  150.42 139.5 90 top
GND_VIA#112  VAL**  [GND_VIA#3]  147.12 132.35 90 top
GND_VIA#113  VAL**  [GND_VIA#3]  148.45 133.47 90 top
GND_VIA#114  VAL**  [GND_VIA#3]  144.8 135.49 90 top
GND_VIA#115  VAL**  [GND_VIA#3]  144.8 136.98 90 top
GND_VIA#116  VAL**  [GND_VIA#3]  147.97 138.63 90 top
GND_VIA#117  VAL**  [GND_VIA#3]  160.11 116.93 90 top
GND_VIA#118  VAL**  [GND_VIA#3]  158.84 111.75 90 top
GND_VIA#119  VAL**  [GND_VIA#3]  157.28 111.07 90 top
GND_VIA#120  VAL**  [GND_VIA#3]  155.34 107.69 90 top
GND_VIA#121  VAL**  [GND_VIA#3]  155.39 104.73 90 top
GND_VIA#122  VAL**  [GND_VIA#3]  155.33 103.11 90 top
GND_VIA#123  VAL**  [GND_VIA#3]  149.37 110.27 90 top
GND_VIA#124  VAL**  [GND_VIA#3]  150.83 114.22 90 top
GND_VIA#125  VAL**  [GND_VIA#3]  149.28 108.78 90 top
GND_VIA#126  VAL**  [GND_VIA#3]  60.46 124.72 90 top
GND_VIA#127  VAL**  [GND_VIA#3]  57.11 113.56 90 top
GND_VIA#128  VAL**  [GND_VIA#3]  58.88 113.62 90 top
GND_VIA#129  VAL**  [GND_VIA#3]  133.13 112.2 90 top
GND_VIA#130  VAL**  [GND_VIA#3]  137.11 102.81 90 top
GND_VIA#131  VAL**  [GND_VIA#3]  143.88 106.43 90 top
GND_VIA#132  VAL**  [GND_VIA#3]  130.87 115.84 90 top
GND_VIA#133  VAL**  [GND_VIA#3]  143.96 117.63 90 top
GND_VIA#134  VAL**  [GND_VIA#3]  140.4 119.83 90 top
GND_VIA#135  VAL**  [GND_VIA#3]  140.4 121.62 90 top
GND_VIA#136  VAL**  [GND_VIA#3]  140.41 122.9 90 top
GND_VIA#137  VAL**  [GND_VIA#3]  141.37 118.88 90 top
GND_VIA#138  VAL**  [GND_VIA#3]  141.38 117.59 90 top
GND_VIA#139  VAL**  [GND_VIA#3]  142.5 118.68 90 top
GND_VIA#140  VAL**  [GND_VIA#3]  141.99 120.34 90 top
GND_VIA#141  VAL**  [GND_VIA#3]  145.33 126.53 270 top
GND_VIA#142  VAL**  [GND_VIA#3]  145.32 124.96 270 top
GND_VIA#143  VAL**  [GND_VIA#3]  145.31 123.47 270 top
GND_VIA#144  VAL**  [GND_VIA#3]  144.47 128.55 90 top
GND_VIA#145  VAL**  [GND_VIA#3]  140.41 124.47 90 top
GND_VIA#146  VAL**  [GND_VIA#3]  140.41 126.05 90 top
GND_VIA#147  VAL**  [GND_VIA#3]  139.24 129.18 90 top
GND_VIA#148  VAL**  [GND_VIA#3]  138.12 127.61 90 top
GND_VIA#149  VAL**  [GND_VIA#3]  138.12 126.03 90 top
GND_VIA#150  VAL**  [GND_VIA#3]  138.12 124.47 90 top
GND_VIA#151  VAL**  [GND_VIA#3]  138.12 122.9 90 top
GND_VIA#152  VAL**  [GND_VIA#3]  138.12 121.3 90 top
GND_VIA#153  VAL**  [GND_VIA#3]  138.12 119.74 90 top
GND_VIA#154  VAL**  [GND_VIA#3]  136.57 121.3 90 top
GND_VIA#155  VAL**  [GND_VIA#3]  135.94 124.71 90 top
GND_VIA#156  VAL**  [GND_VIA#3]  135.99 127.28 90 top
GND_VIA#157  VAL**  [GND_VIA#3]  135.94 129.78 90 top
GND_VIA#158  VAL**  [GND_VIA#3]  138.11 130.75 90 top
GND_VIA#159  VAL**  [GND_VIA#3]  138.66 114.78 90 top
GND_VIA#160  VAL**  [GND_VIA#3]  138.68 116.12 90 top
GND_VIA#161  VAL**  [GND_VIA#3]  139.37 115.48 90 top
GND_VIA#162  VAL**  [GND_VIA#3]  140.06 114.84 90 top
GND_VIA#163  VAL**  [GND_VIA#3]  140.08 116.17 90 top
GND_VIA#164  VAL**  [GND_VIA#3]  138.37 112.58 90 top
GND_VIA#165  VAL**  [GND_VIA#3]  138.38 111 90 top
GND_VIA#166  VAL**  [GND_VIA#3]  138.38 109.43 90 top
GND_VIA#167  VAL**  [GND_VIA#3]  138.38 107.84 90 top
GND_VIA#168  VAL**  [GND_VIA#3]  138.39 106.28 90 top
GND_VIA#169  VAL**  [GND_VIA#3]  138.37 104.71 90 top
GND_VIA#170  VAL**  [GND_VIA#3]  138.38 103.12 90 top
GND_VIA#171  VAL**  [GND_VIA#3]  140.71 103.12 90 top
GND_VIA#172  VAL**  [GND_VIA#3]  140.71 104.7 90 top
GND_VIA#173  VAL**  [GND_VIA#3]  140.71 106.27 90 top
GND_VIA#174  VAL**  [GND_VIA#3]  140.71 107.86 90 top
GND_VIA#175  VAL**  [GND_VIA#3]  140.71 109.44 90 top
GND_VIA#176  VAL**  [GND_VIA#3]  140.72 111 90 top
GND_VIA#177  VAL**  [GND_VIA#3]  140.72 112.58 90 top
GND_VIA#178  VAL**  [GND_VIA#3]  141.49 106.52 90 top
GND_VIA#179  VAL**  [GND_VIA#3]  143 109.66 90 top
GND_VIA#180  VAL**  [GND_VIA#3]  143 110.8 90 top
GND_VIA#181  VAL**  [GND_VIA#3]  142.96 113.28 90 top
GND_VIA#182  VAL**  [GND_VIA#3]  144.8 107.26 90 top
GND_VIA#183  VAL**  [GND_VIA#3]  142.72 123.42 270 top
GND_VIA#184  VAL**  [GND_VIA#3]  142.73 125 270 top
GND_VIA#185  VAL**  [GND_VIA#3]  142.73 126.58 270 top
GND_VIA#186  VAL**  [GND_VIA#3]  132.27 117.23 90 top
GND_VIA#187  VAL**  [GND_VIA#3]  131.56 116.53 90 top
GND_VIA#188  VAL**  [GND_VIA#3]  132.25 115.91 90 top
GND_VIA#189  VAL**  [GND_VIA#3]  130.86 117.18 90 top
GND_VIA#190  VAL**  [GND_VIA#3]  129.33 116.55 90 top
GND_VIA#191  VAL**  [GND_VIA#3]  129.34 118.12 90 top
GND_VIA#192  VAL**  [GND_VIA#3]  129.32 113.3 90 top
